# Altium PCB Board.PcbDoc (part 1 of 2) (continued)
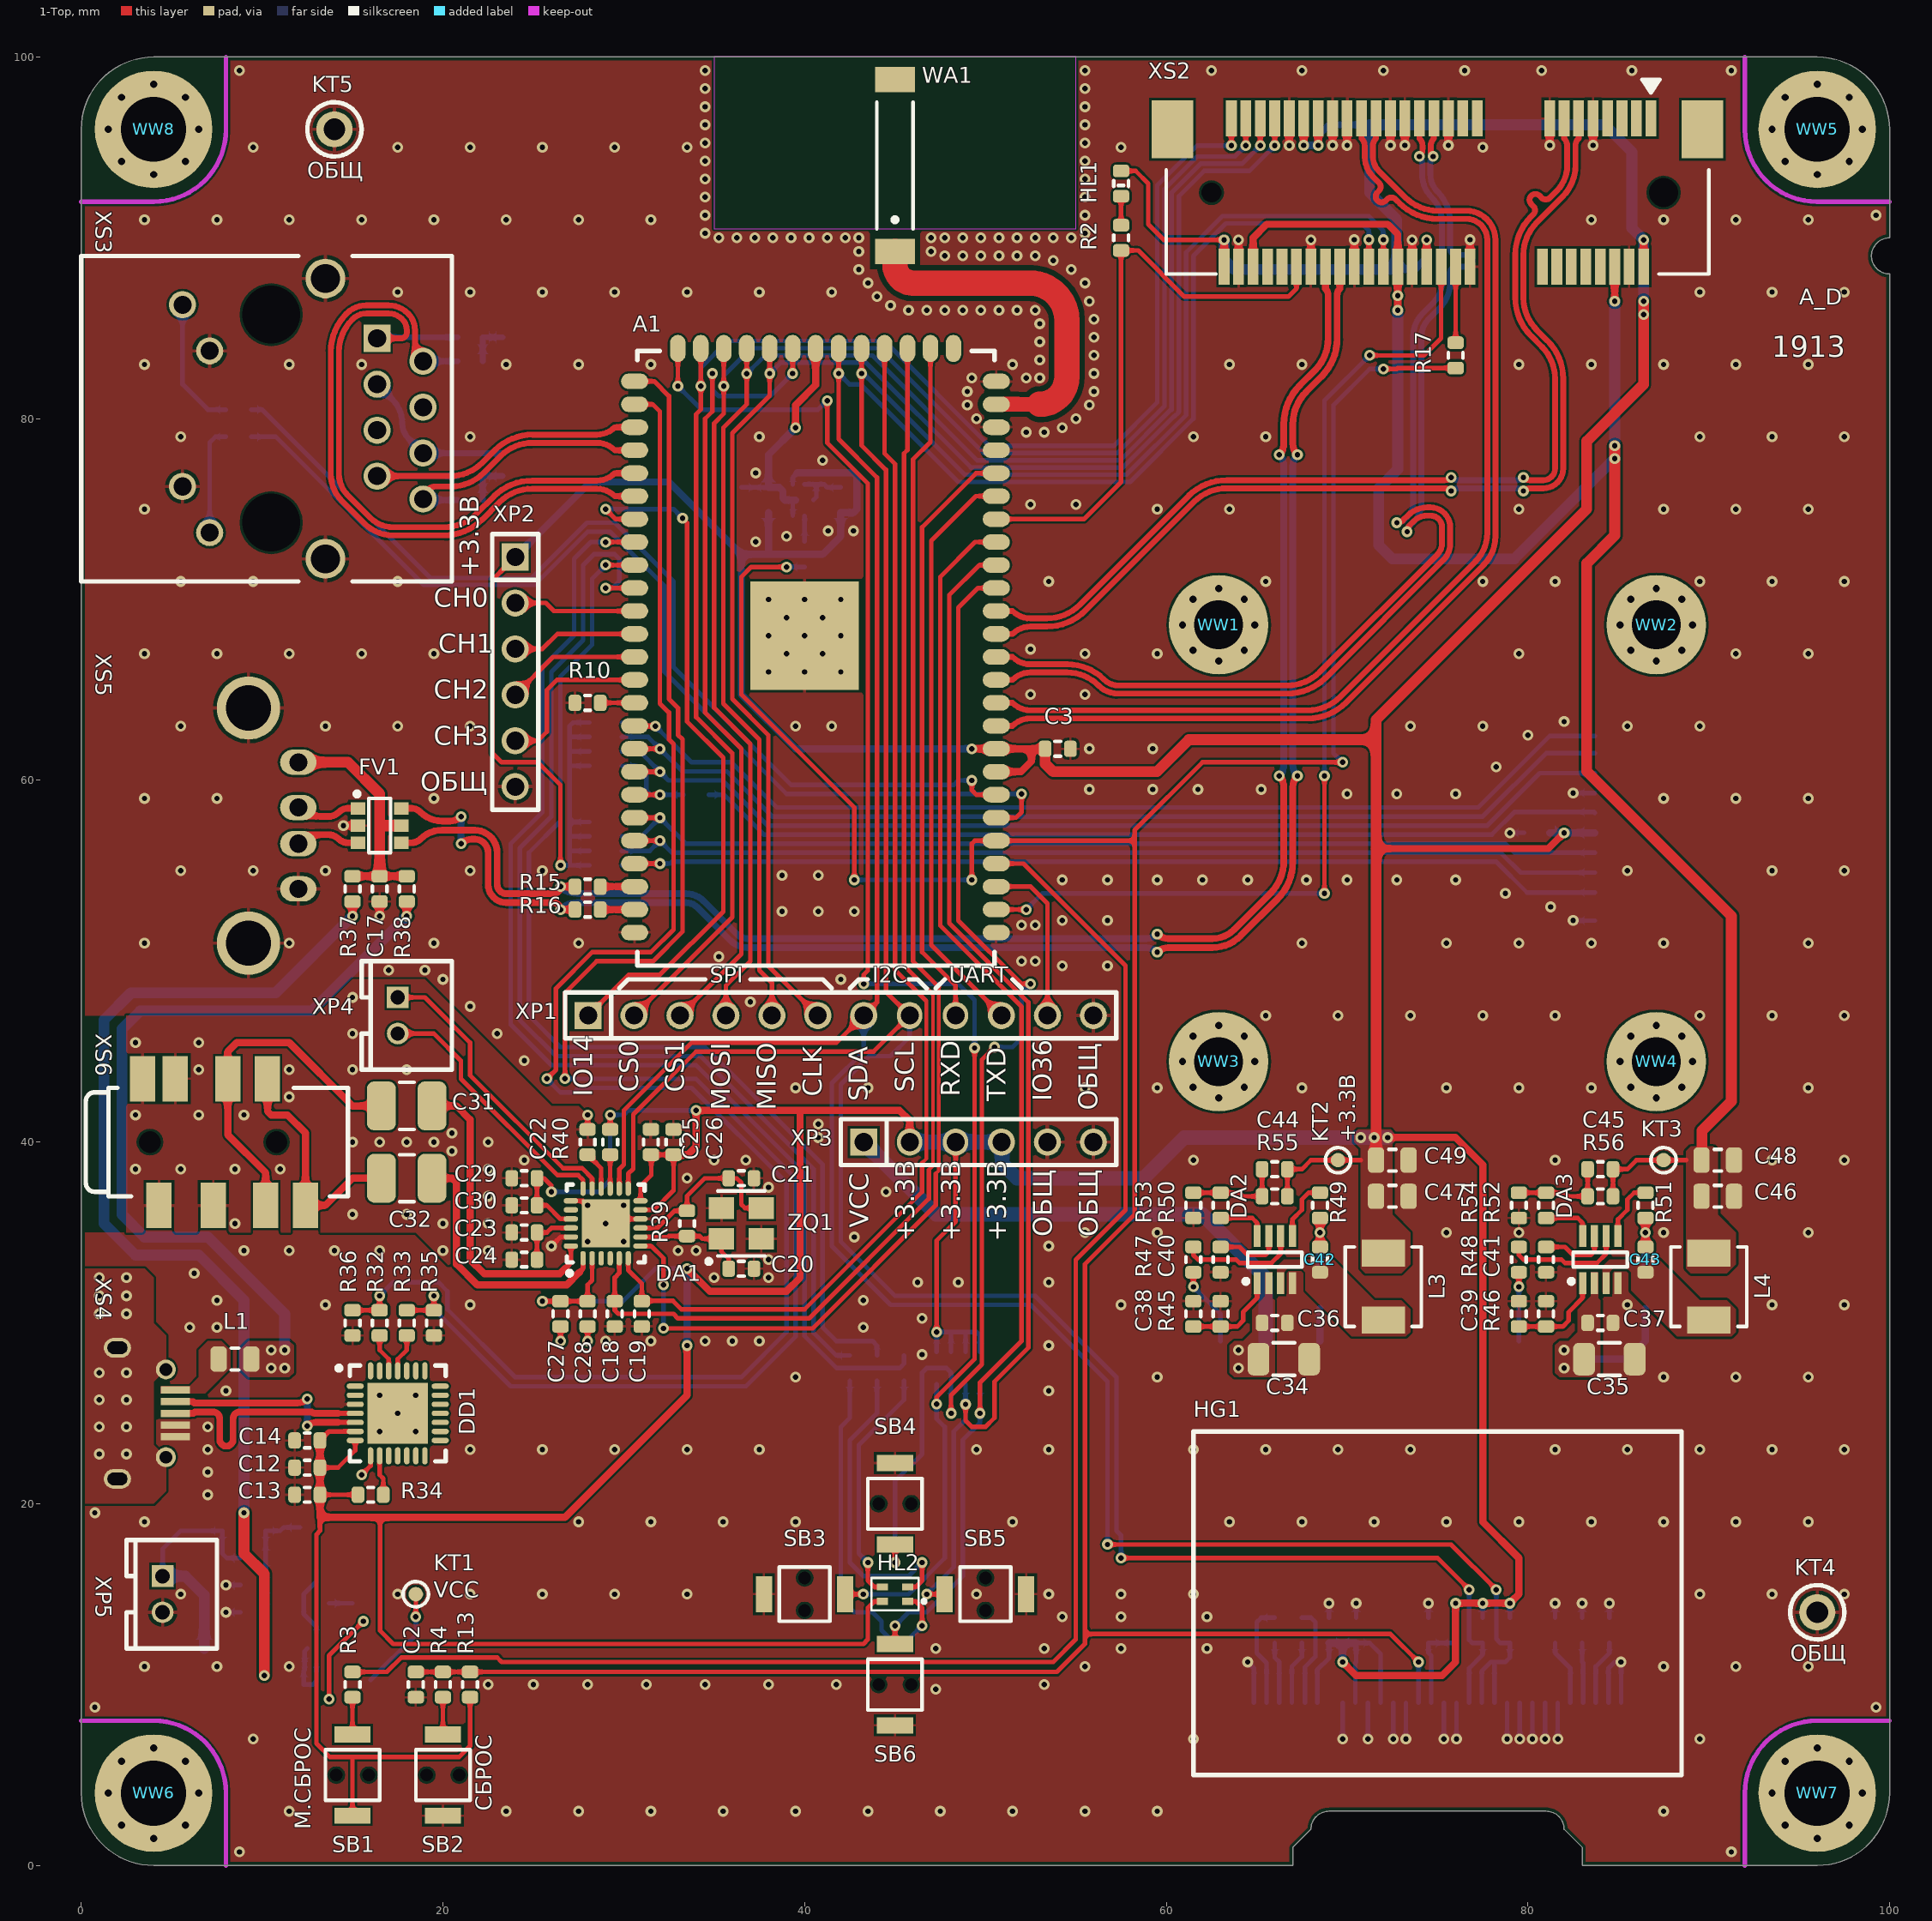
[diagram p0: 1-Top view]
## Components (designator, comment, footprint, x,y, rotation, side; value= is the part's Value field where it differs from the comment) (continued)
R50 "Resistor" R0603_L 63,36.5 r90 top value=33k
R51 "Resistor" R0603_L 86.5,36.5 r270 top value=22
R52 "Resistor" R0603_L 81,36.5 r90 top value=33k
R53 "Resistor" R0603_L 61.5,36.5 r90 top value=12.7k
R54 "Resistor" R0603_L 79.5,36.5 r90 top value=46.4k
R55 "Resistor" R0603_L 66,37 r0 top value=40.2k
R56 "Resistor" R0603_L 84,37 r0 top value=40.2k
SB1 "М.СБРОС" IT-1185AP 15,5 r180 top value=IT-1185AP
SB2 "СБРОС" IT-1185AP 20,5 r180 top value=IT-1185AP
SB3 "" IT-1185AP 40,15 r270 top value=IT-1185AP
SB4 "" IT-1185AP 45,20 r180 top value=IT-1185AP
SB5 "" IT-1185AP 50,15 r90 top value=IT-1185AP
SB6 "" IT-1185AP 45,10 r0 top value=IT-1185AP
VD1 "Diode" SOD-323 9,18.5 r180 bottom value=1N4148WS-7-F
VD2 "Schottky" SOD-123 8.5,12 r0 bottom value=MBR0540T1G
VD3 "Diode" SOD-323 68.5,32 r90 bottom value=1N4148WS-7-F
VD4 "Diode" SOD-323 86.5,32 r90 bottom value=1N4148WS-7-F
VT1 "PMC85XP" SOT-1118-2M_065P200X200X065_N 40,75.5 r180 bottom
VT2 "BJT-NPN" SOT-23_190P290X160X145_N 13,17.5 r0 bottom value=BC846
VT3 "PMC85XP" SOT-1118-2M_065P200X200X065_N 13,12 r0 bottom
WA1 "Antenna_US_1p" AN9520 45,94 r90 top value=AN9520
WW1 "NoBody" MH_M2.5 62.9,68.6 r180 top locked value=MOUNTINGHOLE
WW2 "NoBody" MH_M2.5 87.1,68.6 r180 top locked value=MOUNTINGHOLE
WW3 "NoBody" MH_M2.5 62.9,44.45 r180 top locked value=MOUNTINGHOLE
WW4 "NoBody" MH_M2.5 87.1,44.45 r180 top locked value=MOUNTINGHOLE
WW5 "NoBody" MH_M3.0 96,96 r180 top locked value=MOUNTINGHOLE
WW6 "NoBody" MH_M3.0 4,4 r180 top locked value=MOUNTINGHOLE
WW7 "NoBody" MH_M3.0 96,4 r180 top locked value=MOUNTINGHOLE
WW8 "NoBody" MH_M3.0 4,96 r180 top value=MOUNTINGHOLE
XP1 "IO" PLS-12 42,47 r0 top locked value=PLS-12
XP2 "POWER" PLS-6#1 24,66 r270 top value=PLS-6
XP3 "POWER" PLS-6#2 49.62,40 r0 top locked value=PLS-6
XP4 "SPK" MW-2M 18,47 r270 top value=MW-2M
XP5 "VCC" MW-2M 5,15 r270 top locked value=MW-2M
XS1 "DM3AT-SF-PEJM5" DM3AT-SF-PEJM5 99.75,57 r270 bottom locked
XS2 "Text" 2041119-2 75,92.5 r180 top locked value=2041119-2
XS3 "ETH" SK02-111006NL 10,80 r270 top locked value=SK02-111006NL
XS4 "Text" A01SB141B1-067 2,25 r270 top locked value=A01SB141B1-067
XS5 "Text" DS1095 10,57.5 r270 top locked value=DS1095-B-R
XS6 "OUT" PJ30930-Series 1.5,40 r270 top locked value=PJ30930-Q-LC0AG00TR-7260
ZQ1 "Crystal-1_3p_S" "SMD 3.2x2.5mm" 36.5,35.5 r0 top value=MCSJK-7U-24.576-12-30-60-B-30

## Footprints (in the part's own frame and the unit in brackets; to place one, negate y for a bottom-side part, rotate by r counter-clockwise, add the part's x,y. Pads: shape width x height; smd on the part's side, far side on the other; paste and mask are expansions set on the pad)
5001 [mm] "Keystone Test Point"
  round 2 hole 1.2: 1(0,0)
  silkscreen extent -1.5,-1.5 1.5,1.5, body extent -1.27,-1.27 1.27,1.27, height 4.9
2041119-2 [mm]
  rect 2.3x3.2 smd mask+0.025: 0(-14.65,-3.5) 0(14.65,-3.5)
  rect 0.6x2 smd mask+0.025: 1(-11.8,-4.1) 2(-11.4,4.1) 3(-11,-4.1) 4(-10.6,4.1) 5(-10.2,-4.1) 6(-9.8,4.1) 7(-9.4,-4.1) 8(-9,4.1) 9(-8.6,-4.1) 10(-8.2,4.1) 11(-7.8,-4.1) 12(-7.4,4.1) 13(-7,-4.1) 14(-6.6,4.1) 15(-6.2,-4.1) 16(-5.8,4.1) 17(-2.2,-4.1) 18(-1.8,4.1) 19(-1.4,-4.1) 20(-1,4.1) 21(-0.6,-4.1) 22(-0.2,4.1) 23(0.2,-4.1) 24(0.6,4.1) 25(1,-4.1) 26(1.4,4.1) 27(1.8,-4.1) 28(2.2,4.1) 29(2.6,-4.1) 30(3,4.1) 31(3.4,-4.1) 32(3.8,4.1) 33(4.2,-4.1) 34(4.6,4.1) 35(5,-4.1) 36(5.4,4.1) 37(5.8,-4.1) 38(6.2,4.1) 39(6.6,-4.1) 40(7,4.1) 41(7.4,-4.1) 42(7.8,4.1) 43(8.2,-4.1) 44(8.6,4.1) 45(9,-4.1) 46(9.4,4.1) 47(9.8,-4.1) 48(10.2,4.1) 49(10.6,-4.1) 50(11,4.1) 51(11.4,-4.1) 52(11.8,4.1)
  round 0 hole 1.6 unplated: MH(-12.5,0)
  round 0 hole 1.1 unplated: MH(12.5,0)
  silkscreen extent -15,-6.25 15,4.5, body extent -14.95,-4.58 14.95,4.51, height 4.03
A01SB141B1-067 [mm]
  rect 0.4x1.6 smd: 1(-1.3,3.2) 2(-0.65,3.2) 3(0,3.2) 4(0.65,3.2) 5(1.3,3.2)
  oval 1.1x1.5 hole 0.7 slot 1.1 at 90 deg: SHELL(-3.625,0) SHELL(3.625,0)
  round 1.1 hole 0.7: SHELL(-2.425,2.68) SHELL(2.425,2.68)
AN9520 [mm] "Rainsun"
  rect 1.4x2.2 smd: 1(-4.75,0) 2(4.75,0)
  silkscreen extent -3.5,-1 3.5,1, body extent -4.75,-1.05 4.75,1.05, height 1.07
C0603_L [mm] "Chip Capacitor; Body 1.6 x 0.8 mm (LxW typ)"
  rrect50% 0.7x0.9 smd: 1(-0.7,0) 2(0.7,0)
  silkscreen extent -0.15,-0.41 0.15,0.41, body extent -0.8,-0.4 0.8,0.4, height 0.91
C0805_L [mm] "Chip Capacitor; Body 2.0 x 1.2 mm (LxW typ)"
  rrect50% 0.9x1.4 smd: 1(-0.9,0) 2(0.9,0)
  silkscreen extent -0.2,-0.6 0.2,0.6, body extent -1,-0.62 1,0.63, height 1.01
C1206_L [mm] "Chip Capacitor; Body 3.2 x 1.6 mm (LxW typ)"
  rrect50% 1.2x1.8 smd: 1(-1.4,0) 2(1.4,0)
  silkscreen extent -0.6,-0.9 0.6,0.9, body extent -1.6,-0.8 1.6,0.8, height 1.01
C1210_L [mm] "Chip Capacitor; Body 3.2 x 2.5 mm (LxW typ)"
  rrect50% 1.6x2.7 smd: 1(-1.4,0) 2(1.4,0)
  silkscreen extent -0.4,-1.3 0.4,1.3, body extent -1.6,-1.25 1.6,1.25, height 1.01
CAT16-x4 [mm] "Chip Array, Concave, 8-Leads, Pitch 0,80mm,  Body 3,20x1,60mm,  IPC Medium Density"
  rect 0.45x0.95 smd: 1(-1.2,-0.9) 2(-0.4,-0.9) 3(0.4,-0.9) 4(1.2,-0.9) 5(1.2,0.9) 6(0.4,0.9) 7(-0.4,0.9) 8(-1.2,0.9)
  silkscreen extent -1.6,-0.1 1.6,0.1, body extent -1.7,-0.95 1.7,0.95, height 0.6
DM3AT-SF-PEJM5 [mm]
  rect 0.7x1.2 smd: 1(3.2,16.05) 2(2.1,16.05) 3(1,16.05) 4(-0.1,16.05) 5(-1.2,16.05) 6(-2.3,16.05) 7(-3.4,16.05) 8(-4.5,16.05) CDB(-5.45,16.05)
  rect 1x1.2 smd: CASE(-6.5,11.75) CASE(4.75,16.05)
  rect 1x2.8 smd: CASE(-6.4,1.4)
  rect 1.3x1.9 smd: CASE(7.1,0.95)
  rect 1x0.8 smd: CDA(-6.4,5.55)
  body extent -6.53,0 7.32,16.15, height 1.69
DS1095 [mm]
  oval 1.4x2 hole 1: 1(-3.5,2) 2(-1,2) 3(1,2) 4(3.5,2)
  round 3.5 hole 2.5: 5(-6.5,-0.75) 5(6.5,-0.75)
  body extent -8.12,-10.99 8.12,3.01, height 7.66
FM-B1515RGBA-HG [mm]
  rect 0.4x0.6 smd: 1(-0.4,-0.7) 2(-0.4,0.7) 3(0.4,0.7) 4(0.4,-0.7)
  silkscreen extent -0.9,-1.7 0.9,1.3, body extent -0.75,-0.8 0.75,0.8, height 1
IT-1185AP [mm]
  rect 2x0.9 smd: 1(0,2.25) 2(0,-2.25)
  round 0.1 hole 0.7 unplated: 4(-0.9,0) 4(0.9,0)
  silkscreen extent -1.5,-1.4 1.5,1.4, body extent -1.45,-2.45 1.45,2.45, height 2.04
L0603_L [mm] "Chip Coil; Body 1.6 x 0.8 mm (LxW typ)"
  rrect50% 0.7x0.9 smd: 1(-0.7,0) 2(0.7,0)
  silkscreen extent -0.15,-0.41 0.15,0.41, body extent -0.8,-0.48 0.8,0.47, height 0.8
L0805_L [mm] "Chip Coil; Body 2.0 x 1.2 mm (LxW typ)"
  rrect50% 0.9x1.4 smd: 1(-0.9,0) 2(0.9,0)
  silkscreen extent -0.2,-0.6 0.2,0.6, body extent -0.97,-0.65 1.03,0.65, height 1.2
LD0603_L [mm] "Chip Led; Body 1.6 x 0.8 mm (LxW typ)"
  rrect50% 0.7x0.9 smd mask+0.05: 1(-0.7,0) 2(0.7,0)
  silkscreen extent -0.15,-0.41 0.15,0.41, body extent -0.8,-0.4 0.8,0.4, height 0.7
MH_M2.5 [mm] "Mounting hole M2,5"
  round 0.4 hole 0.4 paste-10: MH(-2,0) MH(-1.414,1.414) MH(-1.414,-1.414) MH(0,2) MH(0,-2) MH(1.414,1.414) MH(1.414,-1.414) MH(2,0)
  round 5.5 hole 2.7 paste-10: MH(0,0)
MH_M3.0 [mm] "Mounting hole M3"
  round 0.4 hole 0.4 paste-10: MH(-2.5,0) MH(-1.768,1.768) MH(-1.768,-1.768) MH(0,2.5) MH(0,-2.5) MH(1.768,1.768) MH(1.768,-1.768) MH(2.5,0)
  round 6.5 hole 3.6 paste-10: MH(0,0)
MW-2M [mm]
  rect 1.2x1.2 hole 0.8: 1(-1,-0.5)
  round 1.2 hole 0.8: 2(1,-0.5)
  silkscreen extent -3,-2.5 3,2.5
OM-O2Sx [mm]
  oval 1.5x0.86 smd mask+0.102: 1(-10.6,16.414) 2(-10.6,15.144) 3(-10.6,13.874) 4(-10.6,12.604) 5(-10.6,11.334) 6(-10.6,10.064) 7(-10.6,8.794) 8(-10.6,7.524) 9(-10.6,6.254) 10(-10.6,4.984) 11(-10.6,3.714) 12(-10.6,2.444) 13(-10.6,1.174) 14(-10.6,-0.096) 15(-10.6,-1.366) 16(-10.6,-2.636) 17(-10.6,-3.906) 18(-10.6,-5.176) 19(-10.6,-6.446) 20(-10.6,-7.716) 21(-10.6,-8.986) 22(-10.6,-10.256) 23(-10.6,-11.526) 24(-10.6,-12.796) 25(-10.6,-14.066) 39(9.4,-14.066) 40(9.4,-12.796) 41(9.4,-11.526) 42(9.4,-10.256) 43(9.4,-8.986) 44(9.4,-7.716) 45(9.4,-6.446) 46(9.4,-5.176) 47(9.4,-3.906) 48(9.4,-2.636) 49(9.4,-1.366) 50(9.4,-0.096) 51(9.4,1.174) 52(9.4,2.444) 53(9.4,3.714) 54(9.4,4.984) 55(9.4,6.254) 56(9.4,7.524) 57(9.4,8.794) 58(9.4,10.064) 59(9.4,11.334) 60(9.4,12.604) 61(9.4,13.874) 62(9.4,15.144) 63(9.4,16.414)
  oval 0.86x1.5 smd mask+0.102: 26(-8.23,-15.88) 27(-6.96,-15.88) 28(-5.69,-15.88) 29(-4.42,-15.88) 30(-3.15,-15.88) 31(-1.88,-15.88) 32(-0.61,-15.88) 33(0.66,-15.88) 34(1.93,-15.88) 35(3.2,-15.88) 36(4.47,-15.88) 37(5.74,-15.88) 38(7.01,-15.88)
  rect 6x6 smd mask+0.102: TP(0,0)
  silkscreen extent -10.5,-15.75 9.25,18.25, body extent -10.63,-15.83 9.37,18.17, height 2.7
PJ30930-Series [mm]
  round 0 hole 1.2 unplated: 0(0,9.3) 0(0,2.3)
  rect 2.5x1.4 smd: 1(3.5,2.8) 2(-3.5,8.8) 3(3.5,8.7) 4(3.5,5.8) 5(3.5,10.9) 6(-3.5,6.6) 7(-3.5,3.7) 8(-3.5,1.9)
  silkscreen extent -3,-1.25 3,13.25
PLS-6#1 [mm]
  rect 1.5x1.5 hole 1: 1(-6.35,0)
  round 1.5 hole 1: 2(-3.81,0) 3(-1.27,0) 4(1.27,0) 5(3.81,0) 6(6.35,0)
  silkscreen extent -7.62,-1.27 7.62,1.27, body extent -7.62,-1.27 7.62,1.27, height 8.9
PLS-6#2 [mm]
  rect 1.5x1.5 hole 1: 1(-6.35,0)
  oval 1.4x1.5 hole 1: 2(-3.81,0) 3(-1.27,0)
  round 1.5 hole 1: 4(1.27,0) 5(3.81,0) 6(6.35,0)
  silkscreen extent -7.62,-1.27 7.62,1.27, body extent -7.62,-1.27 7.62,1.27, height 8.9
PLS-12 [mm]
  rect 1.5x1.5 hole 1: 1(-13.97,0)
  round 1.5 hole 1: 2(-11.43,0) 3(-8.89,0) 4(-6.35,0) 5(-3.81,0) 6(-1.27,0) 7(1.27,0) 10(8.89,0) 11(11.43,0) 12(13.97,0)
  oval 1.4x1.5 hole 1: 8(3.81,0) 9(6.35,0)
  silkscreen extent -15.24,-1.27 15.24,1.27, body extent -15.24,-1.27 15.24,1.27, height 8.9
QFN-24_050P400X400X090_N [mm] "QFN, 24-Leads, Body 4,00x4,00mm, Pitch 0,50mm, Thermal Pad 2,65x2,65mm, IPC Medium Density"
  oval 0.8x0.3 smd: 1(-1.925,1.25) 2(-1.925,0.75) 3(-1.925,0.25) 4(-1.925,-0.25) 5(-1.925,-0.75) 6(-1.925,-1.25) 13(1.925,-1.25) 14(1.925,-0.75) 15(1.925,-0.25) 16(1.925,0.25) 17(1.925,0.75) 18(1.925,1.25)
  oval 0.3x0.8 smd: 7(-1.25,-1.925) 8(-0.75,-1.925) 9(-0.25,-1.925) 10(0.25,-1.925) 11(0.75,-1.925) 12(1.25,-1.925) 19(1.25,1.925) 20(0.75,1.925) 21(0.25,1.925) 22(-0.25,1.925) 23(-0.75,1.925) 24(-1.25,1.925)
  rect 2.65x2.65 smd: TP(0,0)
  silkscreen extent -2.87,-2.15 2.15,2.15, body extent -2.05,-2.05 2.05,2.05, height 0.9
QFN-28_050P500X500X100_N [mm] "QFN, 28-Leads, Body 5,00x5,00mm, Pitch 0,50mm, Thermal Pad 3,35x3,35mm, IPC Medium Density"
  oval 0.95x0.3 smd: 1(-2.35,1.5) 2(-2.35,1) 3(-2.35,0.5) 4(-2.35,0) 5(-2.35,-0.5) 6(-2.35,-1) 7(-2.35,-1.5) 15(2.35,-1.5) 16(2.35,-1) 17(2.35,-0.5) 18(2.35,0) 19(2.35,0.5) 20(2.35,1) 21(2.35,1.5)
  oval 0.3x0.95 smd: 8(-1.5,-2.35) 9(-1,-2.35) 10(-0.5,-2.35) 11(0,-2.35) 12(0.5,-2.35) 13(1,-2.35) 14(1.5,-2.35) 22(1.5,2.35) 23(1,2.35) 24(0.5,2.35) 25(0,2.35) 26(-0.5,2.35) 27(-1,2.35) 28(-1.5,2.35)
  rect 3.35x3.35 smd: TP(0,0)
  silkscreen extent -3.37,-2.65 2.65,2.65, body extent -2.55,-2.55 2.55,2.55, height 1
R0603_L [mm] "Chip Resistor; Body 1.6 x 0.8 mm (LxW typ)"
  rrect50% 0.7x0.9 smd: 1(-0.7,0) 2(0.7,0)
  silkscreen extent -0.15,-0.41 0.15,0.41, body extent -0.8,-0.41 0.8,0.41, height 0.46
SK02-111006NL [mm]
  round 0.1 hole 3.2 unplated: 0(-5.75,0.5) 0(5.75,0.5)
  rect 1.5x1.5 hole 1: 1(-4.445,6.36)
  round 1.5 hole 1: 2(-3.175,8.9) 3(-1.905,6.36) 4(-0.635,8.9) 5(0.635,6.36) 6(1.905,8.9) 7(3.175,6.36) 8(4.445,8.9) 9(-6.3,-4.4) 10(-3.75,-2.9) 11(3.75,-4.4) 12(6.3,-2.9)
  round 2.2 hole 1.6: CASE(-7.75,3.5) CASE(7.75,3.5)
  silkscreen extent -9,-10 9,10.5, body extent -8.13,-10.91 8.13,10.68, height 14.36
"SMD 3.2x2.5mm" [mm]
  rect 1.4x1.2 smd paste+0: 1(-1.1,-0.85) 2(1.1,-0.85) 3(1.1,0.85) 4(-1.1,0.85)
  silkscreen extent -1.92,-2.22 1.3,1.8, body extent -1.6,-1.25 1.6,1.25, height 0.77
SOD-123 [mm] "КД-36"
  rect 1x1 smd: 1(-1.7,0) 2(1.7,0)
  silkscreen extent -1.75,-0.9 1.75,0.9, body extent -1.95,-0.9 1.95,0.9, height 1.19
SOD-323 [mm]
  rect 0.8x0.7 smd: 1(-1.2,0) 2(1.2,0)
  silkscreen extent -0.9,-0.7 0.9,0.7, body extent -1.3,-0.67 1.3,0.68, height 1.1
SOT-23-6_095P290X160X145_N [mm]
  rect 0.7x0.8 smd: 1(-0.95,-1.2) 2(0,-1.2) 3(0.95,-1.2) 4(0.95,1.2) 5(0,1.2) 6(-0.95,1.2)
  silkscreen extent -1.87,-1.37 1.5,0.6, body extent -1.45,-1.4 1.45,1.4, height 1.45
SOT-23_190P290X160X145_N [mm] "КТ-46"
  rect 1x1 smd: 1(-0.9,-1.2) 2(0,1.2) 3(0.9,-1.2)
  silkscreen extent -1.5,-0.5 1.5,0.5, body extent -1.5,-1.15 1.5,1.15, height 1.11
SOT-1118-2M_065P200X200X065_N [mm] "DFN2020-6"
  rect 0.35x0.3 smd mask+0.05: 1(-0.65,-0.875) 2(0,-0.875) 3(0.65,-0.875) 4(0.65,0.875) 5(0,0.875) 6(-0.65,0.875)
  rect 0.72x1.05 smd mask+0.05: 3(0.49,0) 6(-0.49,0)
  silkscreen extent -1.2,-1.45 1.2,1, body extent -1,-1 1,1, height 0.65
SRP4020TA-Series [mm]
  rect 1.5x2.4 smd: 1(-1.85,0) 2(1.85,0)
  silkscreen extent -2.2,-2.1 2.2,2.1, body extent -2.22,-2.03 2.22,2.03, height 1.9
TP-SMT-C-0.8mm [mm]
  round 0.8 smd paste-1: 1(0,0)
  silkscreen extent -0.7,-0.7 0.7,0.7
TSOT-23-8_065P290X160X100_N [mm]
  rect 0.4x1.2 smd: 1(-0.975,-1.3) 2(-0.325,-1.3) 3(0.325,-1.3) 4(0.975,-1.3) 5(0.975,1.3) 6(0.325,1.3) 7(-0.325,1.3) 8(-0.975,1.3)
  silkscreen extent -1.72,-1.32 1.5,0.4, body extent -1.45,-1.4 1.45,1.4, height 1
UG-2864HSWEG01 [mm]
  rect 0.3x3.2 smd far side: 1(-10.15,-5.5) 2(-9.45,-5.5) 3(-8.75,-5.5) 4(-8.05,-5.5) 5(-7.33,-5.5) 6(-6.65,-5.5) 7(-5.95,-5.5) 8(-5.25,-5.5) 9(-4.55,-5.5) 10(-3.85,-5.5) 11(-3.15,-5.5) 12(-2.45,-5.5) 13(-1.75,-5.5) 14(-1.05,-5.5) 15(-0.35,-5.5) 16(0.35,-5.5) 17(1.05,-5.5) 18(1.75,-5.5) 19(2.45,-5.5) 20(3.15,-5.5) 21(3.85,-5.5) 22(4.55,-5.5) 23(5.25,-5.5) 24(5.95,-5.5) 25(6.65,-5.5) 26(7.35,-5.5) 27(8.05,-5.5) 28(8.75,-5.5) 29(9.45,-5.5) 30(10.15,-5.5)
  silkscreen extent -13.5,-9.5 13.5,9.5, body extent -13.35,-12.62 13.35,9.6, height 1.62

## Part data
A1: library part OM-O2SP, Manufacturer=Onion, Operation Frequency=580MHz, Supply Current=400mA, Working Temperature Max=+55°С, Working Temperature Min=-10°С, Application Category=1, Functional Analog=OM-O2S, I/O Lines=42, ID=1, Part Number=OM-O2SP, Published=06.03.2019, Publisher="Andrew Danich", ROM/RAM=32MB/128MB, Supply Operation=+2.97...3.63V, Supported Interfaces="GPIO, I2C, I2S, SPI, UART, USB", Type=Модуль, Wireless Compatibility=Wi-Fi
C1 C3 C17 C29: library part GRM188R61A106KE69D, Dielectric Type=X5R, Manufacturer=Murata, Tolerance=±10%, Voltage=10V, Working Temperature Max=+85°С, Working Temperature Min=-55°С, Application Category=1, ID=173, Part Number=GRM188R61A106KE69D, Published=18.05.2010, Publisher="Andrew Danich", Type=Конденсатор
C2 C10 C11 C13 C14 C15 C16 C23 C33 C36 C37 C40 C41 C42 C43: library part GRM188R72A104KA35D, Dielectric Type=X7R, Manufacturer=Murata, Tolerance=±10%, Voltage=100V, Working Temperature Max=+125°С, Working Temperature Min=-55°С, Application Category=1, ID=232, Part Number=GRM188R72A104KA35D, Published=18.05.2010, Publisher="Andrew Danich", Type=Конденсатор
  C11 C36 C37 C42 C43: ClassName=DirectConnect
C4 C5 C7 C8 C12 C22 C25 C27: library part GCM188R71E105KA64D, Dielectric Type=X7R, Manufacturer=Murata, Tolerance=±10%, Voltage=25V, Working Temperature Max=+85°С, Working Temperature Min=-55°С, Application Category=1, ID=134, Part Number=GCM188R71E105KA64D, Published=18.05.2010, Publisher="Andrew Danich", Type=Конденсатор
C6: library part GRM188R61E225MA12D, Dielectric Type=X5R, Manufacturer=Murata, Tolerance=±20%, Voltage=25V, Working Temperature Max=+85°С, Working Temperature Min=-55°С, Application Category=1, ID=152, Part Number=GRM188R61E225MA12D, Published=18.05.2010, Publisher="Andrew Danich", Type=Конденсатор
C9 C24: library part GRT188C81E475KE13D, Dielectric Type=X6S, Manufacturer=Murata, Tolerance=±20%, Voltage=25V, Working Temperature Max=+105°С, Working Temperature Min=-55°С, Application Category=1, ID=175, Part Number=GRT188C81E475KE13D, Published=18.05.2010, Publisher="Andrew Danich", Type=Конденсатор
C18 C19: library part GRM1885C1H220JA01D, Dielectric Type=NP0, Manufacturer=Murata, Tolerance=±5%, Voltage=50V, Working Temperature Max=+125°С, Working Temperature Min=-55°С, Application Category=1, ID=122, Part Number=GRM1885C1H220JA01D, Published=18.05.2010, Publisher="Andrew Danich", Type=Конденсатор
C20 C21: library part GCM1885C2A120JA16D, Dielectric Type=NP0, Manufacturer=Murata, Tolerance=±5%, Voltage=100V, Working Temperature Max=+125°С, Working Temperature Min=-55°С, Application Category=1, ID=121, Part Number=GCM1885C2A120JA16D, Published=18.05.2010, Publisher="Andrew Danich", Type=Конденсатор
C26 C28 C30 C38 C39: library part GRM1885C2A102JA01D, Dielectric Type=NP0, Manufacturer=Murata, Tolerance=±5%, Voltage=100V, Working Temperature Max=+125°С, Working Temperature Min=-55°С, Application Category=1, ID=135, Part Number=GRM1885C2A102JA01D, Published=18.05.2010, Publisher="Andrew Danich", Type=Конденсатор
C31 C32: library part GRM32ER60J107ME20L, Dielectric Type=X5R, Manufacturer=Murata, Tolerance=±20%, Voltage=6.3V, Working Temperature Max=+85°С, Working Temperature Min=-55°С, Application Category=1, ID=174, Part Number=GRM32ER60J107ME20L, Published=18.05.2010, Publisher="Andrew Danich", Type=Конденсатор
C34 C35: library part GRM31CR71A226KE15L, Dielectric Type=X7R, Manufacturer=Murata, Tolerance=±10%, Voltage=10V, Working Temperature Max=+125°С, Working Temperature Min=-55°С, Application Category=1, ClassName=DirectConnect, ID=238, Part Number=GRM31CR71A226KE15L, Published=18.05.2010, Publisher="Andrew Danich", Type=Конденсатор
C44 C45: library part GRM1885C1H330JA01D, Dielectric Type=NP0, Manufacturer=Murata, Tolerance=±5%, Voltage=50V, Working Temperature Max=+125°С, Working Temperature Min=-55°С, Application Category=1, ID=123, Part Number=GRM1885C1H330JA01D, Published=18.05.2010, Publisher="Andrew Danich", Type=Конденсатор
C46 C47 C48 C49: library part GRM21BR60J226ME39L, Dielectric Type=X5R, Manufacturer=Murata, Tolerance=±20%, Voltage=6.3V, Working Temperature Max=+85°С, Working Temperature Min=-55°С, Application Category=1, ClassName=DirectConnect, ID=140, Part Number=GRM21BR60J226ME39L, Published=18.05.2010, Publisher="Andrew Danich", Type=Конденсатор
DA1: library part ALC5628-GR, Manufacturer=Realtek, Working Temperature Max=+85°С, Working Temperature Min=-20°С, Application Category=1, Channel=2, Functional Analog=ALC5628-GRT, ID=8, Interface=I2S/PCM, Part Number=ALC5628-GR, Published=06.09.2018, Publisher="Andrew Danich", Supply Operation=+2.3…3.6V, THD=-86dB, Type=Микросхема
DA2 DA3: library part MP2315GJ-Z, Frequency=500kHz, Input Voltage=+4.5…24V, Manufacturer="Monolithic Power Systems", Output Current=3A, Output Voltage=+0.8…22.8V, Working Temperature Max=+125°С, Working Temperature Min=-40°С, Application Category=1, ClassName=DirectConnect, Functional Analog=MP2315GJ-P, ID=38, Part Number=MP2315GJ-Z, Published=01.09.2018, Publisher="Andrew Danich", Shutdown Input=YES, Type=Микросхема
DD1: library part CP2102-GM, "Single Chip USB to UART Bridge", Manufacturer="Silicon Labs", Supply Current=13.7mA, Working Temperature Max=+85°C, Working Temperature Min=-40°C, Application Category=1, Channels=1, Functional Analog=-, ID=4, Input Interface=UART, OTG Support=No, Part Number=CP2102-GM, Published=03.08.2015, Publisher="Andrew Danich", Supply Operation=+3.3V, Type=Микросхема, USB Speed Support="12 Mb/s", USB Type Support="USB 2.0"
FV1: Breakdown Voltage=6V, Forward Voltage=0.95V, Junction Capacitance=2.5pF, Manufacturer=STMicroelectronics, Peak Forward Current=5A, Reverse Stand Off Voltage=17V, Working Temperature Max=+125°С, Working Temperature Min=-40°С, Application Category=1, Directional=Bidirectional, Functional Analog=-, ID=11, Part Number=USBLC6-2SC6, Published=21.02.2017, Publisher="Andrew Danich", Type=Супрессор
HG1: Manufacturer="WiseChip Semiconductor", Supply Current=28.9mA, Working Temperature Max=+70°С, Working Temperature Min=-30°С, Application Category=1, Diagonal=0.96, Display Type=OLED, ID=1, Part Number=UG-2864HSWEG01, Published=13.03.2019, Publisher="Andrew Danich", Resolution - Pixels=128*64, Supply Operation=+1.65…3.3V, Touch Panel=No, Type="Индикатор графический"
HL1: library part BL-LS0603DNB, Color=Blue, Forward Current=30mA, Forward Voltage=3.5V, Power Dissipation=78mW, Application Category=1, ID=12, Leds=1, Part Number=BL-LS0603DNB, Published=03.12.2013, Publisher="Andrew Danich", Type="Индикатор единичный"
HL2: library part FM-B1515RGBA-HG, Color="Red, Green, Blue", Forward Current=50/40/40mA, Forward Voltage=2.4/3.4/3.4V, Manufacturer="Foshan NationStar Optoelectronics", Power Dissipation=48/68/68mW, Working Temperature Max=+85°С, Working Temperature Min=-30°С, Application Category=1, ID=36, Leds=3, Part Number=FM-B1515RGBA-HG, Published=17.03.2019, Publisher="Andrew Danich", Type="Сборка индикаторная"
KT1 KT2 KT3: library part TestPoint-SMT, Manufacturer=-, Application Category=1, Application Type="On PCB Test Point", Functional Analog=-, ID=6, Part Number=TestPoint-SMT, Published=03.03.2015, Publisher="Andrew Danich"
KT4 KT5: library part 5001, Limit Voltage=100V, Manufacturer="Keystone Electronics", Rated Current=0.5A, Application Category=1, Application Type="Miniature THM Test Point", Functional Analog=-, ID=2, Part Number=5001, Published=03.03.2015, Publisher="Andrew Danich"
L1: library part BLM21PG331SN1, DC Resistance=0.07ohm, Inductor Type=EMIFIL, Manufacturer=Murata, Rated Current=1.5A, Tolerance=±25%, Working Temperature Max=+125°С, Working Temperature Min=-55°С, Application Category=1, ClassName=DirectConnect, ID=2, Impedance at 100Mhz=330ohm, Part Number=BLM21PG331SN1, Published=14.11.2014, Publisher="Andrew Danich", Type=Дроссель
L2: library part BLM18PG121SN1, DC Resistance=0.05ohm, Inductor Type=EMIFIL, Manufacturer=Murata, Rated Current=2A, Working Temperature Max=+125°С, Working Temperature Min=-55°С, Application Category=1, ClassName=DirectConnect, ID=4, Impedance at 100Mhz=120ohm, Part Number=BLM18PG121SN1, Published=14.11.2014, Publisher="Andrew Danich", Type=Дроссель
L3 L4: library part SRP4020TA-4R7M, DC Resistance=0.105ohm, Inductance=4.7uH, Manufacturer=Bourns, Rated Current=2.6A, Self-Resonant Frequency=27MHz, Tolerance=±20%, Working Temperature Max=+125°С, Working Temperature Min=-40°С, Application Category=1, ClassName=DirectConnect, ID=103, Part Number=SRP4020TA-4R7M, Published=20.05.2010, Publisher="Andrew Danich", Q=10, Type=Дроссель
R1: library part RC0603JR-0722KL, Limit Voltage=50V, Manufacturer=Yageo, Temperature Coefficient=100ppm, Tolerance=±5%, Total Power Dissipation=0.1W, Working Temperature Max=+155°С, Working Temperature Min=-55°С, Application Category=1, ID=32, Part Number=RC0603JR-0722KL, Published=24.03.2010, Publisher="Andrew Danich", Series Type=Thick-Film, Type=Резистор
R2 R32 R33: library part RC0603JR-071KL, Limit Voltage=50V, Manufacturer=Yageo, Temperature Coefficient=100ppm, Tolerance=±5%, Total Power Dissipation=0.1W, Working Temperature Max=+155°С, Working Temperature Min=-55°С, Application Category=1, Functional Analog=CR0603-JW-102E, ID=19, Part Number=RC0603JR-071KL, Published=24.03.2010, Publisher="Andrew Danich", Series Type=Thick-Film, Type=Резистор
R3 R14 R35 R36: library part RC0603JR-073KL, Limit Voltage=50V, Manufacturer=Yageo, Temperature Coefficient=100ppm, Tolerance=±5%, Total Power Dissipation=0.1W, Working Temperature Max=+155°С, Working Temperature Min=-55°С, Application Category=1, ID=52, Part Number=RC0603JR-073KL, Published=24.03.2010, Publisher="Andrew Danich", Series Type=Thick-Film, Type=Резистор
R4 R18 R19 R20: library part RC0603JR-07100R, Limit Voltage=50V, Manufacturer=Yageo, Temperature Coefficient=100ppm, Tolerance=±5%, Total Power Dissipation=0.1W, Working Temperature Max=+155°С, Working Temperature Min=-55°С, Application Category=1, Functional Analog=CR0603-JW-101E, ID=10, Part Number=RC0603JR-07100R, Published=24.03.2010, Publisher="Andrew Danich", Series Type=Thick-Film, Type=Резистор
R5 R41 R42 R43 R44: library part RC0603JR-0710KL, Limit Voltage=50V, Manufacturer=Yageo, Temperature Coefficient=100ppm, Tolerance=±5%, Total Power Dissipation=0.1W, Working Temperature Max=+155°С, Working Temperature Min=-55°С, Application Category=1, Functional Analog=CR0603-JW-103E, ID=12, Part Number=RC0603JR-0710KL, Published=24.03.2010, Publisher="Andrew Danich", Series Type=Thick-Film, Type=Резистор
R6 R17 R22 R23 R37 R38 R40: library part RC0603JR-070R, Limit Voltage=50V, Manufacturer=Yageo, Temperature Coefficient=100ppm, Tolerance=±5%, Total Power Dissipation=0.1W, Working Temperature Max=+155°С, Working Temperature Min=-55°С, Application Category=1, Functional Analog="RC0603FR-070RL, CR0603-J/-000E", ID=5, Part Number=RC0603JR-070R, Published=24.03.2010, Publisher="Andrew Danich", Series Type=Thick-Film, Type=Резистор
R7: library part RC0603JR-0730RL, Limit Voltage=50V, Manufacturer=Yageo, Temperature Coefficient=100ppm, Tolerance=±5%, Total Power Dissipation=0.1W, Working Temperature Max=+155°С, Working Temperature Min=-55°С, Application Category=1, ID=412, Part Number=RC0603JR-0730RL, Published=24.03.2010, Publisher="Andrew Danich", Series Type=Thick-Film, Type=Резистор
R8 R9 R21: library part CAT16-103J4LF, Limit Voltage=50V, Manufacturer=Bourns, Temperature Coefficient=200ppm, Tolerance=±5%, Total Power Dissipation=0,062W, Working Temperature Max=+125°С, Working Temperature Min=-55°С, Application Category=1, Functional Analog=TC164-JR-0710KL, ID=232, Part Number=CAT16-103J4LF, Published=15.07.2014, Publisher="Andrew Danich", Series Type=Thick-Film, Type="Набор резисторов"
R10 R11 R12 R13 R34: library part RC0603JR-074K7L, Limit Voltage=50V, Manufacturer=Yageo, Temperature Coefficient=100ppm, Tolerance=±5%, Total Power Dissipation=0.1W, Working Temperature Max=+155°С, Working Temperature Min=-55°С, Application Category=1, ID=56, Part Number=RC0603JR-074K7L, Published=24.03.2010, Publisher="Andrew Danich", Series Type=Thick-Film, Type=Резистор
R15 R16 R49 R51: library part RC0603JR-0722RL, Limit Voltage=50V, Manufacturer=Yageo, Temperature Coefficient=100ppm, Tolerance=±5%, Total Power Dissipation=0.1W, Working Temperature Max=+155°С, Working Temperature Min=-55°С, Application Category=1, ID=29, Part Number=RC0603JR-0722RL, Published=24.03.2010, Publisher="Andrew Danich", Series Type=Thick-Film, Type=Резистор
R24: library part RC0603JR-07910KL, Limit Voltage=50V, Manufacturer=Yageo, Temperature Coefficient=100ppm, Tolerance=±5%, Total Power Dissipation=0.1W, Working Temperature Max=+155°С, Working Temperature Min=-55°С, Application Category=1, ID=88, Part Number=RC0603JR-07910KL, Published=24.03.2010, Publisher="Andrew Danich", Series Type=Thick-Film, Type=Резистор
R25 R47 R48: library part RC0603JR-07100KL, Limit Voltage=50V, Manufacturer=Yageo, Temperature Coefficient=100ppm, Tolerance=±5%, Total Power Dissipation=0.1W, Working Temperature Max=+155°С, Working Temperature Min=-55°С, Application Category=1, Functional Analog=CR0603-JW-104E, ID=11, Part Number=RC0603JR-07100KL, Published=24.03.2010, Publisher="Andrew Danich", Series Type=Thick-Film, Type=Резистор
  R25: ClassName=DirectConnect
R26 R27: library part RC0603JR-07330RL, Limit Voltage=50V, Manufacturer=Yageo, Temperature Coefficient=100ppm, Tolerance=±5%, Total Power Dissipation=0.1W, Working Temperature Max=+155°С, Working Temperature Min=-55°С, Application Category=1, Functional Analog=CR0603-JW-331E, ID=313, Part Number=RC0603JR-07330RL, Published=24.03.2010, Publisher="Andrew Danich", Series Type=Thick-Film, Type=Резистор
R28 R29 R30 R31: library part RC0603FR-0749R9L, Limit Voltage=50V, Manufacturer=Yageo, Temperature Coefficient=100ppm, Tolerance=±1%, Total Power Dissipation=0.1W, Working Temperature Max=+155°С, Working Temperature Min=-55°С, Application Category=1, Functional Analog=CR0603-FX-49R9E, ID=249, Part Number=RC0603FR-0749R9L, Published=24.03.2010, Publisher="Andrew Danich", Series Type=Thick-Film, Type=Резистор
R39: library part RC0603JR-071ML, Limit Voltage=50V, Manufacturer=Yageo, Temperature Coefficient=100ppm, Tolerance=±5%, Total Power Dissipation=0.1W, Working Temperature Max=+155°С, Working Temperature Min=-55°С, Application Category=1, ID=20, Part Number=RC0603JR-071ML, Published=24.03.2010, Publisher="Andrew Danich", Series Type=Thick-Film, Type=Резистор
R45 R46: library part RC0603JR-0762KL, Limit Voltage=50V, Manufacturer=Yageo, Temperature Coefficient=100ppm, Tolerance=±5%, Total Power Dissipation=0.1W, Working Temperature Max=+155°С, Working Temperature Min=-55°С, Application Category=1, ID=74, Part Number=RC0603JR-0762KL, Published=24.03.2010, Publisher="Andrew Danich", Series Type=Thick-Film, Type=Резистор
R50 R52: library part RC0603JR-0733KL, Limit Voltage=50V, Manufacturer=Yageo, Temperature Coefficient=100ppm, Tolerance=±5%, Total Power Dissipation=0.1W, Working Temperature Max=+155°С, Working Temperature Min=-55°С, Application Category=1, ID=47, Part Number=RC0603JR-0733KL, Published=24.03.2010, Publisher="Andrew Danich", Series Type=Thick-Film, Type=Резистор
R53: library part RC0603FR-0712K7L, Limit Voltage=50V, Manufacturer=Yageo, Temperature Coefficient=100ppm, Tolerance=±1%, Total Power Dissipation=0.1W, Working Temperature Max=+155°С, Working Temperature Min=-55°С, Application Category=1, ID=263, Part Number=RC0603FR-0712K7L, Published=24.03.2010, Publisher="Andrew Danich", Series Type=Thick-Film, Type=Резистор
R54: library part RC0603FR-0746K4L, Limit Voltage=50V, Manufacturer=Yageo, Temperature Coefficient=100ppm, Tolerance=±1%, Total Power Dissipation=0.1W, Working Temperature Max=+155°С, Working Temperature Min=-55°С, Application Category=1, ID=298, Part Number=RC0603FR-0746K4L, Published=24.03.2010, Publisher="Andrew Danich", Series Type=Thick-Film, Type=Резистор
R55 R56: library part RC0603FR-0740K2L, Limit Voltage=50V, Manufacturer=Yageo, Temperature Coefficient=100ppm, Tolerance=±1%, Total Power Dissipation=0.1W, Working Temperature Max=+155°С, Working Temperature Min=-55°С, Application Category=1, ID=294, Part Number=RC0603FR-0740K2L, Published=24.03.2010, Publisher="Andrew Danich", Series Type=Thick-Film, Type=Резистор
SB1 SB2 SB3 SB4 SB5 SB6: library part IT-1185AP, Isolator Resistance=100meg, Limit Current=50mA, Resistance=0.1ohm, Application Category=1, Backlight=NO, Height=5mm, ID=36, Number of Contacts=2, Part Number=IT-1185AP, Published=17.04.2014, Publisher="Andrew Danich", Type=Переключатель
VD1 VD3 VD4: library part 1N4148WS-7-F, Capacitance=2pF, Forward Current=150mA, Forward Voltage=1V, Manufacturer="Diodes Incorporated", Reverse Current=1uA, Reverse Voltage=100V, Total Power Dissipation=200mW, Working Temperature Max=+150°С, Working Temperature Min=-55°С, Application Category=1, Functional Analog=1N4148WS, ID=13, Part Number=1N4148WS-7-F, Published=18.05.2010, Publisher="Andrew Danich", Recovery Time=4nS, Type=Диод
VD2: library part MBR0540T1G, Capacitance=170pF, Forward Current=0.5A, Forward Voltage=0.51V, Manufacturer="ON Semiconductor", Reverse Current=250uA, Reverse Voltage=40V, Total Power Dissipation=410mW, Working Temperature Max=+150°С, Working Temperature Min=-55°С, Application Category=1, ClassName=DirectConnect, Functional Analog=MBR0540, ID=11, Part Number=MBR0540T1G, Published=18.05.2010, Publisher="Andrew Danich", Type=Диод
VT1 VT3: D-S On-Resistance=110momh, D-S Voltage=-30V, Drain Current=-3.4A, Gate Capacitance=680pF, Gate Threshold Voltage=-1.2V, Manufacturer="NXP Semiconductors", Total Power Dissipation=1.17W, Working Temperature Max=+150°С, Working Temperature Min=-55°С, Application Category=1, Functional Analog=-, ID=33, Part Number=PMC85XP, Published=13.03.2017, Publisher="Andrew Danich", Type="Сборка транзисторная"
  VT3: ClassName=DirectConnect
VT2: library part BC846, C-E Saturation Voltage=0.6V, C-E Voltage=65V, Collector Current=100mA, DC Current Gain=110…450, Total Power Dissipation=250mW, Transition Frequency=100MHz, Application Category=1, ID=9, Part Number=BC846, Published=07.05.2013, Publisher="Andrew Danich", Type=Транзистор
WA1: library part AN9520, Center Frequency=2.45GHz, Manufacturer=RainSun, Power Handling=3W, Working Temperature Max=+85°С, Working Temperature Min=-40°С, Application Category=1, Azimuth Beamwidth=Omni?directional, Bandwidth=Linear, ID=1, Input Impedance=50ohm, Part Number=AN9520, Peak Gain=1.5dBi, Published=15.01.2015, Publisher="Andrew Danich", Type=Антенна, VSWR=2.0
WW1 WW2 WW3 WW4 WW5 WW6 WW7 WW8: library part MOUNTINGHOLE, ID=1, Part Number=MOUNTINGHOLE, Published=24.03.2015, Publisher="Andrew Danich", Type=Лепесток
XP1: library part PLS-12, Limit Current=3A, Limit Voltage=250V, Resistance=15momh, Application Category=1, Connector Type=Male, ID=10, Part Number=PLS-12, Pins=12, Pitch=2.54mm, Published=07.03.2013, Publisher="Andrew Danich", Surface Finish=Gold, Type=Вилка
XP2 XP3: library part PLS-6, Limit Current=3A, Limit Voltage=250V, Resistance=15momh, Application Category=1, Connector Type=Male, ID=5, Part Number=PLS-6, Pins=6, Pitch=2.54mm, Published=07.03.2013, Publisher="Andrew Danich", Surface Finish=Gold, Type=Вилка
XP4 XP5: library part MW-2M, Limit Current=2A, Limit Voltage=100V, Resistance=20mohm, Application Category=1, Connector Type=Male, ID=60, Part Number=MW-2M, Pins=2, Pitch=2mm, Published=07.03.2013, Publisher="Andrew Danich", Surface Finish="Phosphor Bronze", Type=Вилка
XS1: Limit Voltage=125V, Manufacturer="Hirose Connector", Working Temperature Max=+85°С, Working Temperature Min=-25°С, Application Category=1, Connector Type="microSD Card", ID=5, Interface=SPI\SDIO, Part Number=DM3AT-SF-PEJM5, Pins=10, Pitch=1.1mm, Published=14.03.2019, Publisher="Andrew Danich", Style=Push-Push, Type=Розетка
XS2: library part 2041119-2, Manufacturer="TE Connectivity", Application Category=1, Connector Type="Card Edge", ID=2, Part Number=2041119-2, Pins=52, Pitch=0.8mm, Published=06.03.2019, Publisher="Andrew Danich", Surface Finish=Gold, Type=Розетка
XS3: library part SK02-111006NL, Limit Current=1.5A, Limit Voltage=125V, Manufacturer="Sanken Electric Co., Ltd", Working Temperature Max=+70°С, Working Temperature Min=-40°С, Application Category=1, Connector Type=Female, Functional Analog=-, ID=18, Interface=Ethernet/Int.Trans., Max Data Rate=10/100Mbs, Mount Type="Through hole", Part Number=SK02-111006NL, Pins=12, Published=08.09.2014, Publisher="Andrew Danich", Type=Розетка
XS4: library part A01SB141B1-067, Limit Current=1A, Limit Voltage=30V, Manufacturer="Jing Extension of the Electronic Co", Application Category=1, ClassName=DirectConnect, Connector Type=Female, ID=37, Interface="USB 2.0", Max Data Rate="480 mbps", Mount Type=Surface, Part Number=A01SB141B1-067, Pins=5, Published=17.09.2018, Publisher="Andrew Danich", Type=Розетка
XS5: library part DS1095-B-R, Limit Current=1.5A, Limit Voltage=30V, Manufacturer="Connfly Electronic Co., Ltd", Application Category=1, Connector Type=Female, ID=19, Interface="USB 2.0", Max Data Rate="480 mbps", Mount Type="Through hole", Part Number=DS1095-B-R, Pins=6, Published=07.03.2013, Publisher="Andrew Danich", Type=Розетка
XS6: library part PJ30930-Q-LC0AG00TR-7260, Limit Current=0.5A, Limit Voltage=30V, Manufacturer="Dongnan Electronics", Working Temperature Max=+85°С, Working Temperature Min=-25°С, Application Category=1, Connector Type=Female, Functional Analog=PJ30930-Q-LC0AG00-7260, ID=11, Mount Type=Surface, Part Number=PJ30930-Q-LC0AG00TR-7260, Pins=8, Published=06.09.2018, Publisher="Andrew Danich", Standart="3.5 mm", Type=Розетка
ZQ1: library part MCSJK-7U-24.576-12-30-60-B-30, Load Capacitance=12pF, Manufacturer=Multicomp, Output Frequency=24.576МГц, Temperature Coefficient=±30ppm, Working Temperature Max=+70°С, Working Temperature Min=-20°С, Application Category=1, Functional Analog=-, ID=27, Part Number=MCSJK-7U-24.576-12-30-60-B-30, Published=06.09.2018, Publisher="Andrew Danich", Type=Резонатор

## Via types
v1: diameter 0.6, hole 0.3, 1-Top to 2-Bottom, tented both sides, 649 vias
v2: diameter 0.6, hole 0.3, 1-Top to 2-Bottom, 24 vias

## Nets (pads, with @x,y where several pads share a name; then routed paths per layer and width w, separated by ;. In a path a pad name is that pad's centre, name@x,y a point inside that pad or via, vN(x,y) a via of type N, cw(c..) or ccw(c..) an arc to the next point about the centre after c; other vN are vias at no path point)
AGND: C22.1 C23.1 C24.1 C27.2 C28.2 C29.2 C30.2 DA1.23 L2.2 XS6.1 XS6.4 XS6.7 XS6.8 | length 3.7
  1-Top w0.25: v1(26,34.25) 26.5,34.75 DA1.23@27.075,34.75 ; v1(26.5,29) C27.2@26.5,29.8 ; v1(28,29) C28.2@28,29.8 ; C22.1@28,40.7 v1(28,41.5)
  other v1: 20,34 22.5,34 8.5,35.5 20,35.5 22.5,35.5 15,36 18,36 22.5,37 3,38.5 5.5,38.5 8.5,38.5 11,38.5 22.5,38.5 24.5,39 20.5,39.5 15,40 16.5,40 18,40 19.5,40 22.5,40 20.5,40.5 3,41.5 6.5,41.5 9,41.5 11.5,42.5 6.5,44 11.5,44 15,44 18,44 3,45.5 6.5,45.5 15,46 15,48
BUTTON0: A1.38 R21.4 SB3.1 | length 90.2
  1-Top w0.25: v1(32.99,81.8) A1.38@32.99,83.88 ; v1(41.25,81) 41.25,78.67 43.5,76.42 43.5,49.48 43.27,49.25 v1(43.27,48.75) ; SB3.1@42.25,15 v1(43.25,15) ; v1(47.3,25.504) 47.3,25.9 49.4,28 v1(49.4,45.2)
  2-Bottom w0.25: v1(32.99,81.8) 34.29,80.5 40.75,80.5 v1(41.25,81) ; v1(43.25,15) 45.75,15 47.75,17 47.75,24.25 47.3,24.7 v1(47.3,25.504) R21.4@47.3,26.6 ; v1(43.27,48.75) 48.5,48.75 49.4,47.85 v1(49.4,45.2)
BUTTON1: A1.16 R21.3 SB4.1 | length 67.6
  1-Top w0.25: v1(45,16.75) SB4.1@45,17.75 ; v1(48.1,25) 48.1,26 49.8,27.7 49.8,44.55 v1(50.5,45.25) ; A1.16@50.6,70.636 49.59,70.636 48.5,69.546 48.5,52.25 52,48.75 v1(52.5,48.75)
  2-Bottom w0.25: v1(45,16.75) 45,21.25 46.5,22.75 46.5,27.25 46.75,27.5 47.85,27.5 48.1,27.25 R21.3@48.1,26.6 v1(48.1,25) ; v1(50.5,45.25) 51.5,45.25 52,45.75 52,48.25 v1(52.5,48.75)
BUTTON2: A1.17 R21.2 SB5.1 | length 67.7
  1-Top w0.25: v1(46.75,15) SB5.1@47.75,15 ; v1(48.9,25.5) 48.9,24.6 49.25,24.25 50,24.25 50.5,24.75 50.5,26.75 52.377,28.627 52.377,47.723 48,52.1 48,70.25 49.656,71.906 A1.17@50.6,71.906
  2-Bottom w0.25: v1(46.75,15) 48.25,16.5 48.25,24 48.9,24.65 v1(48.9,25.5) R21.2@48.9,26.6
BUTTON3: A1.18 R21.1 SB6.1 | length 69.8
  1-Top w0.25: SB6.1@45,12.25 v1(45,13.25) ; v1(49.7,25.001) 49.7,26.7 52,29 52,47.473 47.5,51.973 47.5,71.25 49.426,73.176 A1.18@50.6,73.176
  2-Bottom w0.25: v1(45,13.25) 45.75,14 46.75,14 48.75,16 48.75,23.525 49.7,24.475 v1(49.7,25.001) R21.1@49.7,26.6
EARTH: C11.2 R25.1 XS4.SHELL
  other v1: 1,22.75 2.5,22.75 1,24.25 2.5,24.25 1,25.75 2.5,25.75 1,27.25 2.5,27.25 1,30.5 2.5,30.5 1,31.5 2.5,31.5 1,32.5 2.5,32.5
ETH_DATA: A1.6 R26.1 | length 58.5
  1-Top w0.25: A1.6@50.6,57.936 51.686,57.936 52,58.25 v1(52,59.25)
  2-Bottom w0.25: R26.1@9.4,79 10.75,79 18.938,70.812 25.062,70.812 28,73.75 29.25,73.75 32.25,70.75 32.25,66 39,59.25 v1(52,59.25)
ETH_LED_G: R27.2 XS3.9 | length 7.4
  2-Bottom w0.25: XS3.9@5.6,86.3 5.6,81.9 7,80.5 R27.2@8,80.5
ETH_LED_Y: R26.2 XS3.12 | length 6
  2-Bottom w0.25: XS3.12@7.1,73.7 7.1,78.674 7.426,79 R26.2@8,79
ETH_LINK: A1.7 R27.1 | length 55.9
  1-Top w0.25: v1(49.25,60) 49.25,59.456 49.5,59.206 A1.7@50.6,59.206
  2-Bottom w0.25: R27.1@9.4,80.5 10,80.5 19.311,71.189 24.906,71.189 27.967,74.25 29.5,74.25 32.75,71 32.75,66.25 39.25,59.75 48.25,59.75 48.5,60 v1(49.25,60)
ETH_RX_N: A1.42 R28.2 XS3.8 | length 14.9
  1-Top w0.325: XS3.8@18.9,75.555 cw(c19.595,75.555) 19.595,76.25 20.448,76.25 ccw(c20.448,78.79) 22.244,76.994 23.171,77.921 cw(c24.967,76.125) 24.967,78.665 28.512,78.665 cw(c28.512,77.268) 29.5,78.256 A1.42@30.6,78.256
  2-Bottom w0.325: XS3.8@18.9,75.555 ccw(c19.033,75.688) 19.033,75.5 R28.2@20.8,75.5
ETH_RX_P: A1.41 R29.2 XS3.7 | length 19.5
  1-Top w0.325: XS3.7@16.36,76.825 20.384,76.825 ccw(c20.384,79.365) 22.18,77.569 22.853,78.241 cw(c24.966,76.128) 24.966,79.117 28.512,79.117 ccw(c28.512,80.514) 29.5,79.526 A1.41@30.6,79.526
  2-Bottom w0.325: XS3.7@16.36,76.825 R29.2@20.8,76.825
ETH_TX_N: A1.44 R30.2 XS3.2 | length 37
  1-Top w0.325: XS3.2@18.9,83.175 cw(c19.983,84.258) 18.452,84.258 18.452,84.9 ccw(c17.155,84.9) 18.072,85.817 18.066,85.822 ccw(c16.983,84.739) 16.983,86.271 15.767,86.271 ccw(c15.767,84.737) 14.683,85.822 14.674,85.812 ccw(c16.787,83.699) 13.798,83.699 13.798,76.956 ccw(c15.954,76.956) 14.43,75.431 15.653,74.209 ccw(c17.247,75.802) 17.247,73.548 20.061,73.548 ccw(c20.061,76.537) 22.174,74.424 23.131,75.381 cw(c24.927,73.585) 24.927,76.125 28.512,76.125 cw(c28.512,74.728) 29.5,75.716 A1.44@30.6,75.716
  2-Bottom w0.325: XS3.2@18.9,83.175 R30.2@20.8,83.175
ETH_TX_P: A1.43 R31.2 XS3.1 | length 37.5
  1-Top w0.325: XS3.1@16.36,84.445 17.695,84.445 ccw(c17.695,84.75) 18,84.75 18,84.896 ccw(c17.146,84.896) 17.75,85.5 ccw(c16.979,84.729) 16.979,85.819 15.771,85.819 ccw(c15.771,84.729) 15,85.5 14.994,85.494 ccw(c16.79,83.698) 14.25,83.698 14.25,76.957 ccw(c15.957,76.957) 14.75,75.75 15.97,74.53 ccw(c17.25,75.811) 17.25,74 20.059,74 ccw(c20.059,76.54) 21.855,74.744 22.813,75.701 cw(c24.926,73.588) 24.926,76.577 28.512,76.577 ccw(c28.512,77.974) 29.5,76.986 A1.43@30.6,76.986
  2-Bottom w0.325: XS3.1@16.36,84.445 cw(c16.493,84.312) 16.493,84.5 R31.2@20.8,84.5